# Altium PCB DM1092.PcbDoc (part 1 of 5) (continued)
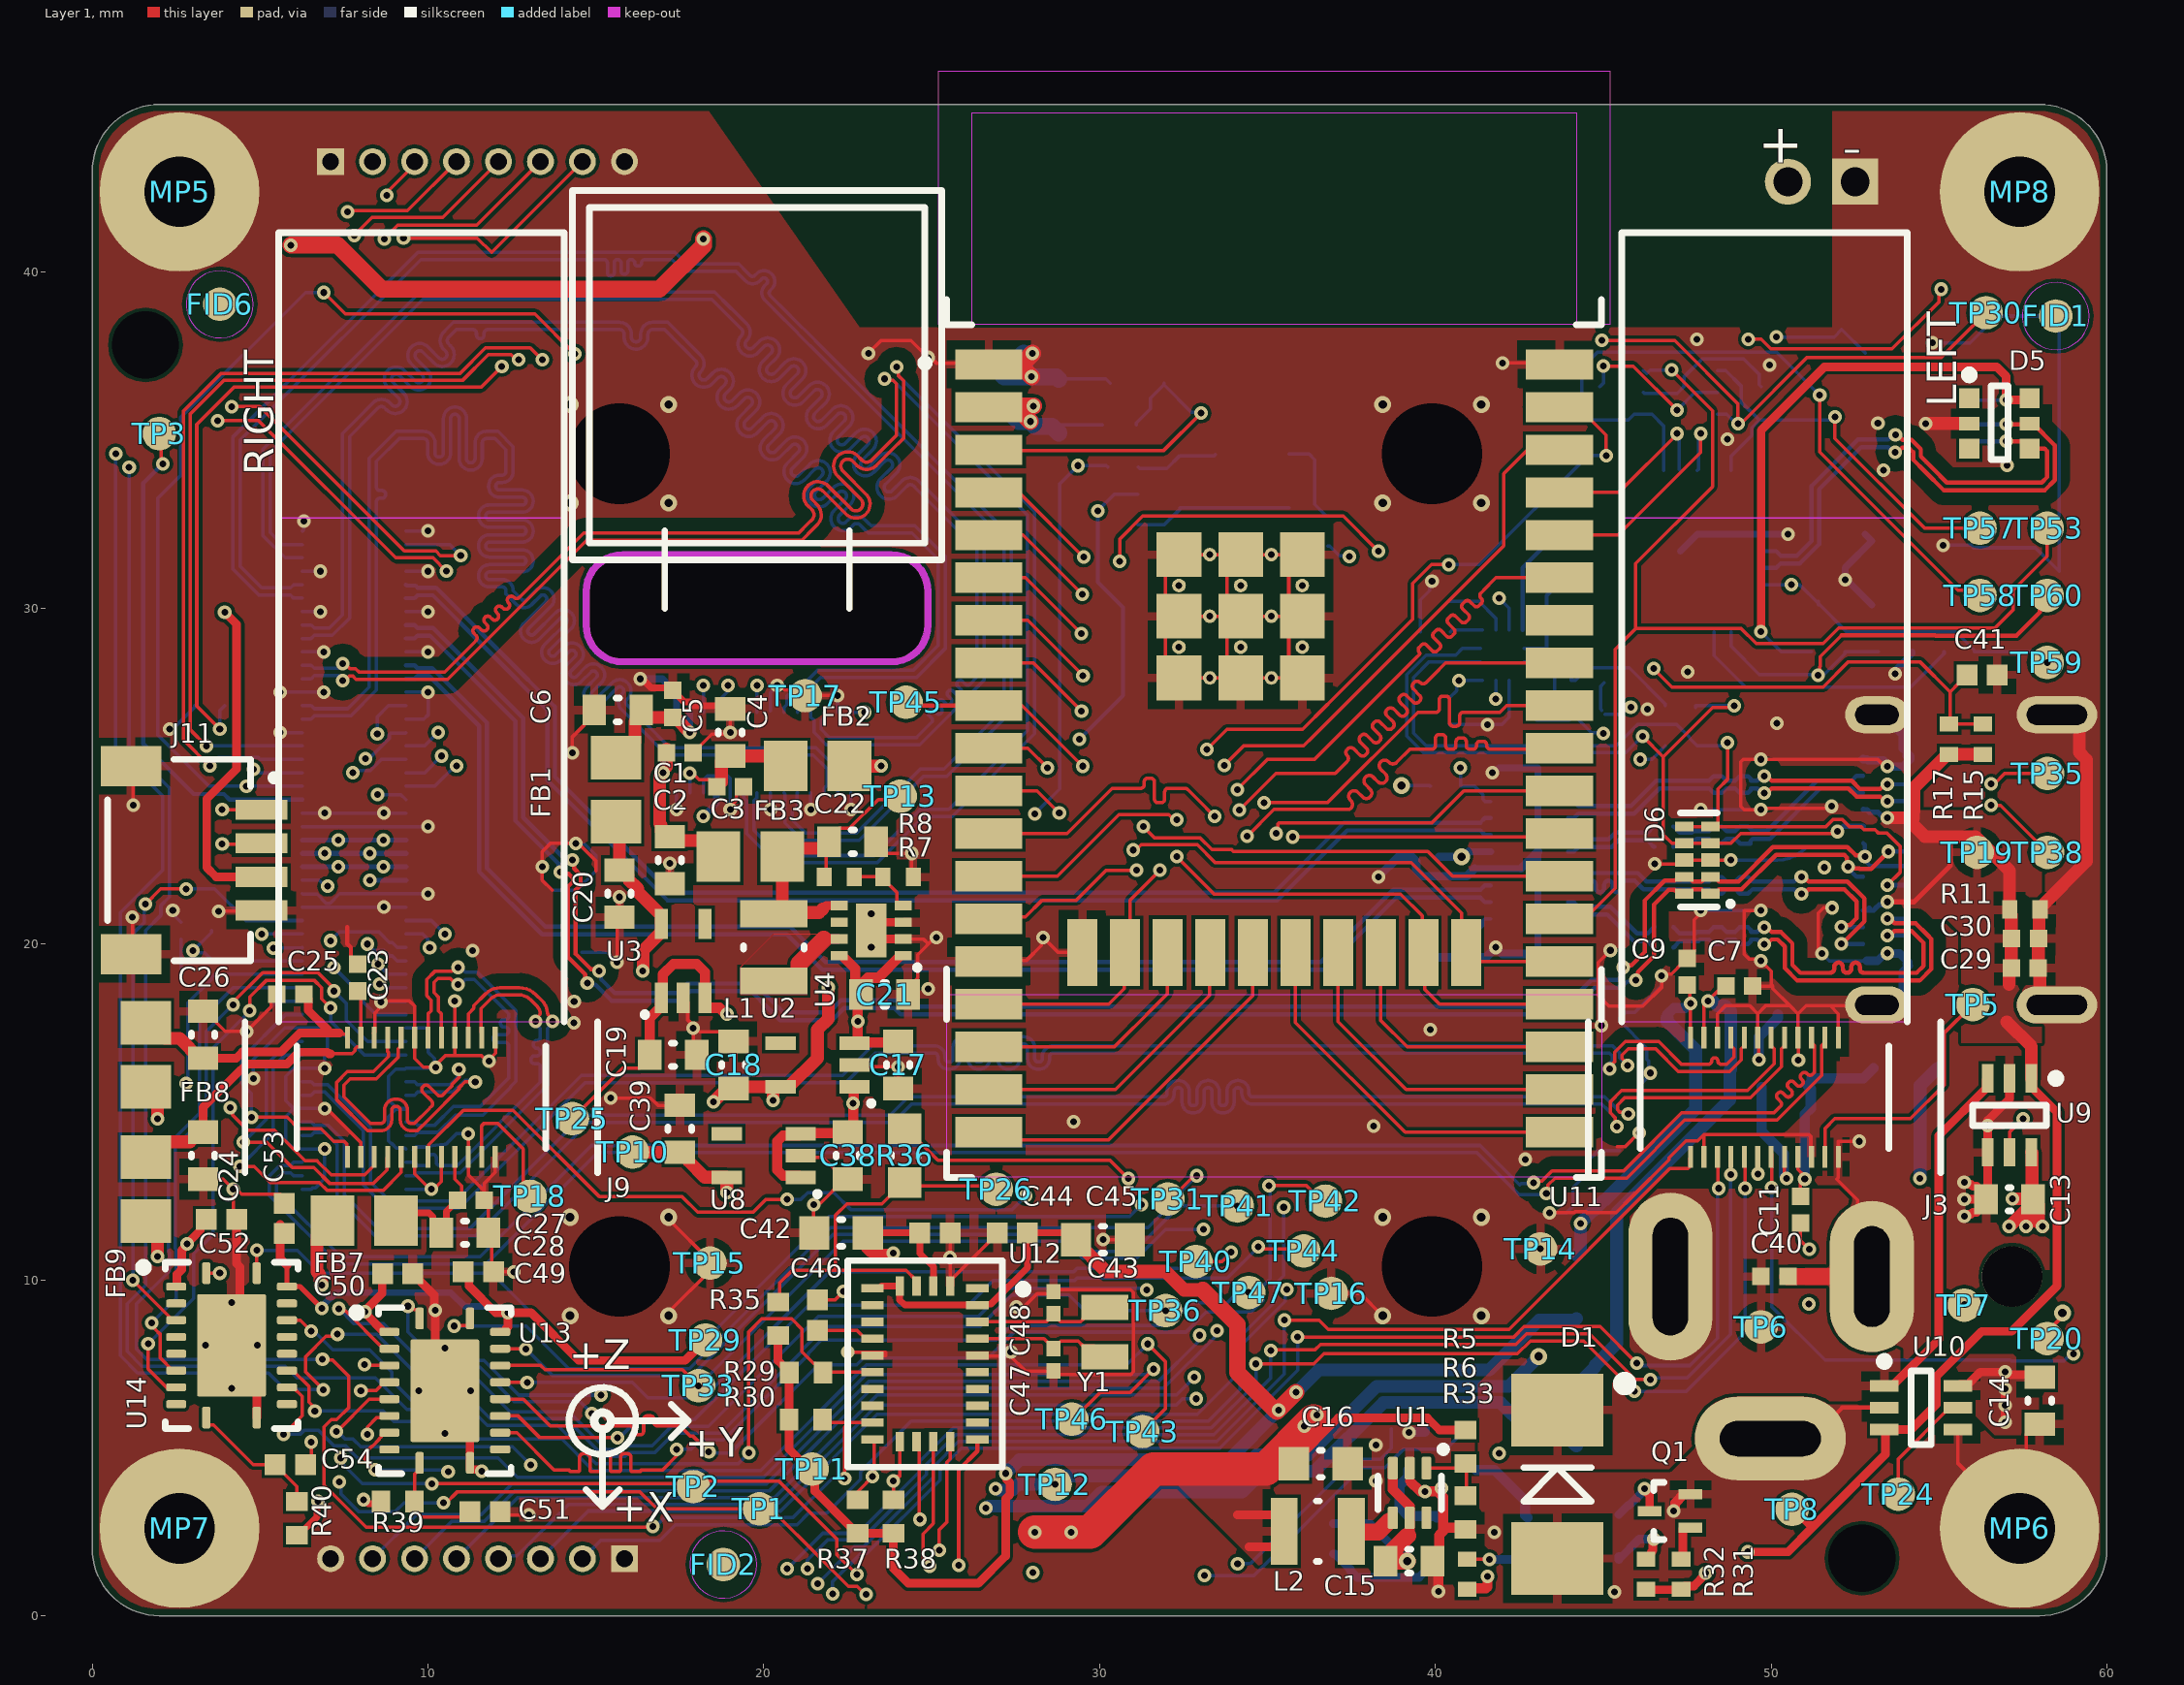
[diagram p0: Layer 1 view]
## Components (designator, comment, footprint, x,y, rotation, side; value= is the part's Value field where it differs from the comment) (continued)
R3 "0R 0402" RESC0402(1005)_L 36.8,32.3 r90 bottom
R4 "10K 0402" RESC0402(1005)_L 31.138,32.942 r270 bottom locked
R5 "442K 0402" RESC0402(1005)_N 40.894,5.029 r90 top
R6 "97.6K 0402" RESC0402(1005)_N 40.894,3.073 r90 top
R7 "53.6k 0402" RESC0402(1005)_L 22.25,22 r180 top
R8 "39.2k 0402" RESC0402(1005)_L 24,22 r180 top
R9 "10K 0402" RESC0402(1005)_L 3.1,20.4 r180 bottom
R10 "0R 0402" RESC0402(1005)_L 30.7,34.2 r0 bottom
R11 "10K 0402" RESC0402(1005)_L 57.559,21.027 r180 top
R12 "10K 0402" RESC0402(1005)_L 40.3,20.3 r180 bottom locked
R13 "10K 0402" RESC0402(1005)_L 40.3,24.7 r180 bottom locked
R14 "10K 0402" RESC0402(1005)_L 40,29.3 r180 bottom
R15 "1.8MR 0402" RESC0402(1005)_L 56.299,26.099 r90 top
R16 "10K 0402" RESC0402(1005)_L 40,30.2 r180 bottom
R17 "1.8MR 0402" RESC0402(1005)_L 55.299,26.099 r90 top
R18 "10K 0402" RESC0402(1005)_L 47.3,27.1 r0 bottom
R19 "10K 0402" RESC0402(1005)_L 47.3,25.9 r0 bottom
R20 "10K 0402" RESC0402(1005)_L 44.627,27.8 r0 bottom
R21 "10K 0402" RESC0402(1005)_L 44.597,26.848 r0 bottom
R24 "0R 0603" RESC0603(1608)_N 35.638,33.792 r90 bottom
R26 "0R 0603" RESC0603(1608)_N 33.452,33.782 r90 bottom
R29 "10K 0402" RESC0402(1005)_N 21.26,7.239 r180 top
R30 "10K 0402" RESC0402(1005)_N 21.25,5.842 r180 top
R31 "1K 0402" RESC0402(1005)_L 47.32,1.237 r270 top
R32 "1K 0402" RESC0402(1005)_L 46.279,1.237 r270 top
R33 "1K 0402" RESC0402(1005)_L 40.945,1.237 r270 top
R34 "1K 0402" RESC0402(1005)_L 36.957,2.293 r90 bottom
R35 "10K 0402" RESC0402(1005)_N 20.422,8.839 r270 top
R36 "0R 0603" RESC0603(1608)_N 24.2,13.7 r90 top
R37 "2.2K 0402" RESC0402(1005)_N 22.793,2.957 r90 top
R38 "2.2K 0402" RESC0402(1005)_N 23.859,2.957 r90 top
R39 "1K 0402" RESC0402(1005)_N 9.1,3.4 r180 top
R40 "10K 0402" RESC0402(1005)_N 6.1,2.9 r90 top
R41 "10K 0402" RESC0402(1005)_N 30.591,35.464 r180 bottom
R42 "22.1K 0402" RESC0402(1005)_N 51.7,28.7 r0 bottom
R43 "10K 0402" RESC0402(1005)_N 49.7,36.1 r90 bottom locked
R44 "47.5K 0402" RESC0402(1005)_N 53.7,28.7 r180 bottom
R45 "1K 0402" RESC0402(1005)_L 55.6,28.7 r180 bottom
R46 "10K 0402" RESC0402(1005)_N 44.9,36.1 r270 bottom locked
TP1 "TP100_200_NS" TP100_200_NS 19.871,3.183 r180 top
TP2 "TP100_200_NS" TP100_200_NS 17.901,3.841 r180 top
TP3 "TP100_200_NS" TP100_200_NS 2,35.2 r180 top
TP4 "TP100_200_NS" TP100_200_NS 30.698,30.026 r0 bottom
TP5 "TP100_200_NS" TP100_200_NS 56.007,18.2 r0 top
TP6 "TP100_200_NS" TP100_200_NS 49.7,8.6 r180 top
TP7 "TP100_200_NS" TP100_200_NS 55.749,9.249 r180 top
TP8 "TP100_200_NS" TP100_200_NS 50.625,3.166 r180 top
TP10 "TP100_200_NS" TP100_200_NS 16.092,13.804 r180 top
TP11 "TP100_200_NS" TP100_200_NS 21.439,4.364 r180 top
TP12 "TP100_200_NS" TP100_200_NS 28.677,3.912 r180 top
TP13 "TP100_200_NS" TP100_200_NS 24.063,24.402 r180 top
TP14 "TP100_200_NS" TP100_200_NS 43.132,10.923 r180 top
TP15 "TP100_200_NS" TP100_200_NS 18.4,10.5 r180 top
TP16 "TP100_200_NS" TP100_200_NS 36.9,9.6 r180 top
TP17 "TP100_200_NS" TP100_200_NS 21.232,27.396 r180 top
TP18 "TP100_200_NS" TP100_200_NS 13.041,12.488 r180 top
TP19 "TP100_200_NS" TP100_200_NS 56.134,22.733 r180 top
TP20 "TP100_200_NS" TP100_200_NS 58.219,8.255 r270 top
TP21 "TP075_150_NS" TP075_150_NS 43.403,32.008 r0 bottom
TP22 "TP075_150_NS" TP075_150_NS 43.018,26.684 r0 bottom
TP23 "TP075_150_NS" TP075_150_NS 43.411,30.476 r0 bottom
TP24 "TP100_200_NS" TP100_200_NS 53.786,3.619 r180 top
TP25 "TP100_200_NS" TP100_200_NS 14.3,14.8 r180 top
TP26 "TP100_200_NS" TP100_200_NS 26.924,12.7 r180 top
TP29 "TP100_200_NS" TP100_200_NS 18.264,8.21 r180 top
TP30 "TP100_200_NS" TP100_200_NS 56.4,38.8 r180 top
TP31 "TP100_200_NS" TP100_200_NS 32.033,12.407 r180 top
TP33 "TP100_200_NS" TP100_200_NS 18.06,6.845 r180 top
TP35 "TP100_200_NS" TP100_200_NS 58.229,25.078 r90 top
TP36 "TP100_200_NS" TP100_200_NS 31.969,9.086 r180 top
TP38 "TP100_200_NS" TP100_200_NS 58.229,22.733 r90 top
TP40 "TP100_200_NS" TP100_200_NS 32.87,10.55 r180 top
TP41 "TP100_200_NS" TP100_200_NS 34.1,12.2 r180 top
TP42 "TP100_200_NS" TP100_200_NS 36.728,12.344 r180 top
TP43 "TP100_200_NS" TP100_200_NS 31.279,5.486 r180 top
TP44 "TP100_200_NS" TP100_200_NS 36.08,10.858 r180 top
TP45 "TP100_200_NS" TP100_200_NS 24.238,27.198 r270 top
TP46 "TP100_200_NS" TP100_200_NS 29.172,5.851 r270 top
TP47 "TP100_200_NS" TP100_200_NS 34.442,9.627 r180 top
TP53 "TP100_200_NS" TP100_200_NS 58.219,32.383 r180 top
TP57 "TP100_200_NS" TP100_200_NS 56.219,32.383 r180 top
TP58 "TP100_200_NS" TP100_200_NS 56.219,30.383 r180 top
TP59 "TP100_200_NS" TP100_200_NS 58.219,28.383 r180 top
TP60 "TP100_200_NS" TP100_200_NS 58.219,30.383 r180 top
U1 "TLV62568DRLR" TLV62568DRLR 39.235,3.654 r270 top
U2 "TLV70018DCK" TLV70018DCK 21.6,16.4 r90 top
U3 "TLV70028DCK" TLV70028DCK 17.6,19.5 r0 top
U4 "TLV62080DSG" TLV62080DSG 23.2,20.4 r180 top
U5 "USB Type-C Switch" HD3SS3212RKSR 42.8,22.5 r0 bottom locked
U6 "USB Type-C Port Control" TUSB321RWBR 42,28.6 r270 bottom
U8 "TLV70012DCK" TLV70012DCK 20,13.7 r90 top
U9 "1.5A ideal diode" LM66100DCKR 57.1,14.9 r270 top
U10 "1.5A ideal diode" LM66100DCKR 54.468,6.197 r0 top
U11 "ESP32-WROOM-32D MODULE" "ESP32-WROOM/WROVER COMBO" 35.2,32 r0 top
U12 "BNO085" BNO085 24.8,7.5 r0 top
U13 "TXS0108ERGYR" TXS0108ERGYR 10.5,6.7 r0 top
U14 "TXS0108ERGYR" TXS0108ERGYR 4.15,8.05 r0 top
U15 "CP2102N-A02-GQFN28R" CP2102N-A02-GQFN28R 47.3,31.7 r180 bottom locked
Y1 "ABS06-127-32.768KHZ-T" ABS06-127-32.768KHZ-T 30.15,8.445 r270 top

## Footprints (in the part's own frame and the unit in brackets; to place one, negate y for a bottom-side part, rotate by r counter-clockwise, add the part's x,y. Pads: shape width x height; smd on the part's side, far side on the other; paste and mask are expansions set on the pad)
1SMB5919BT3G [mm] "Molded, 2-Leads, Body 4.6x3.95mm"
  rect 2.159x2.743 smd: 1(-2.21,0) 2(2.21,0)
  silkscreen extent -3.1,-1 0.5,2.1, body extent -2.3,-1.97 2.3,1.97, height 2.42
53047-0810 [mm] "1.25mm Pitch, PicoBlade PCB Header, Single Row, Vertical, Through Hole, Tin Plating, Friction Lock, 8 Circuits"
  rect 0.8x0.8 hole 0.5: 1(4.375,0)
  round 0.8 hole 0.5: 2(3.125,0) 3(1.875,0) 4(0.625,0) 5(-0.625,0) 6(-1.875,0) 7(-3.125,0) 8(-4.375,0)
  silkscreen extent -5.88,-2.05 5.87,1.15, body extent -5.88,-2.05 5.87,1.15, height 4.18
105450-0101 [mm] "USB3.1 Type-C Molex SMT, RA, TH"
  rect 0.3x0.7 smd mask+0.05: A1(-3,0.65) A2(-2.5,0.65) A3(-2,0.65) A4(-1.5,0.65) A5(-1,0.65) A6(-0.5,0.65) A7(0.5,0.65) A8(1,0.65) A9(1.5,0.65) A10(2,0.65) A11(2.5,0.65) A12(3,0.65) B2(2.25,-0.65) B3(1.75,-0.65) B4(1.25,-0.65) B5(0.75,-0.65) B6(0.25,-0.65) B7(-0.25,-0.65) B8(-0.75,-0.65) B9(-1.25,-0.65) B10(-1.75,-0.65) B11(-2.25,-0.65)
  rect 1x0.7 smd mask+0.05: B1(3.1,-0.65) B12(-3.1,-0.65)
  oval 1.1x1.9 hole 0.6 slot 1.3 at 90 deg mask+0.05: SH1(-4.32,0.24) SH4(4.32,0.24)
  oval 1.1x2.4 hole 0.6 slot 1.8 at 90 deg mask+0.05: SH2(-4.32,-5.12) SH3(4.32,-5.12)
  Layer 1 keep-out region: -3.6,-1.299 3.6,-1.299 3.6,-5.95 -3.6,-5.95
  silkscreen extent -4.5,-3.6 4.5,-1, body extent -4.47,-7.02 4.47,0.88, height 3.2
10118192-0001LF [mm] "USB - micro B"
  rect 0.4x1.35 smd: 1(-1.3,2.675) 2(-0.65,2.675) 3(0,2.675) 4(0.65,2.675) 5(1.3,2.675)
  rect 2.1x1.6 smd: 6(-3.1,2.55) 7(3.1,2.55)
  rect 1.8x1.9 smd: 8(-3.8,0) 9(3.8,0)
  rect 1.9x1.9 smd: 10(-1.2,0) 11(1.2,0)
  silkscreen extent -1.5,3.7 -1.1,3.7, body extent -3.95,-2.67 3.95,2.95, height 2.7
2508056017Y2 [mm] "2508056017Y2 Chip Inductor, 2-Leads, Body 2.00x1.25mm"
  rect 1.3x1.5 smd: 1(-0.95,0) 2(0.95,0)
  body extent -1.1,-0.72 1.1,0.73, height 1.45
9774030243R [mm] "STANDOFF_M2X0.4_3MM with no pad on bottom of PCB"
  round 5.3 / inner round 2.7 / far side round 2.7 hole 3 mask+0.05: 1(0,0)
  body extent -2.17,-2.17 2.18,2.17, height 3.05
A12N02A-201_1.6mmbrd_MatedModule [mm] "connector: 24-5804-030-000-829+ (1.4mm height w/ module mated)"
  rect 0.22x0.5 smd mask+0.05: 1(-2.8,-1.2) 2(-2.4,-1.2) 3(-2,-1.2) 4(-1.6,-1.2) 5(-1.2,-1.2) 6(-0.8,-1.2) 7(-0.4,-1.2) 8(0,-1.2) 9(0.4,-1.2) 10(0.8,-1.2) 11(1.2,-1.2) 12(1.6,-1.2) 13(2,-1.2) 14(2.4,-1.2) 15(2.8,-1.2) 16(2.8,1.2) 17(2.4,1.2) 18(2,1.2) 19(1.6,1.2) 20(1.2,1.2) 21(0.8,1.2) 22(0.4,1.2) 23(0,1.2) 24(-0.4,1.2) 25(-0.8,1.2) 26(-1.2,1.2) 27(-1.6,1.2) 28(-2,1.2) 29(-2.4,1.2) 30(-2.8,1.2)
  Layer 6 keep-out region: -4.999,16.237 4.999,16.237 4.999,6.239 -4.999,6.239
  Keep-Out Layer board cut-out: -5,4.8 -4.924,5.183 -4.707,5.507 -4.383,5.724 -4,5.8 -4,5.8 4,5.8 4.383,5.724 4.707,5.507 4.924,5.183 5,4.8 5,4.8 5,3.8 4.924,3.417 4.707,3.093 4.383,2.876 4,2.8 4,2.8 -4,2.8 -4.383,2.876 -4.707,3.093 -4.924,3.417 -5,3.8 -5,3.8
  Keep-Out Layer lines w0.2: 5.1,3.8 cw(c4,3.8) 4,2.7 0,2.7 -4,2.7 cw(c-4,3.8) -5.1,3.8 -5.1,4.8 cw(c-4,4.8) -4,5.9 4,5.9 cw(c4,4.8) 5.1,4.8 5.1,3.8
  silkscreen extent -4.5,-2 4.5,4.3, body extent -5,-2 5,16.24, height 6.18
ABS06-127-32.768KHZ-T [mm] "2-SMD 0.079\" L x 0.047\" W (2.00mm x 1.20mm)"
  rect 0.75x1.4 smd: 1(-0.73,0) 2(0.73,0)
  body extent -1,-0.6 1,0.6, height 0.65
B2B-PH-K-S(LF)(SN) [mm] "3.4mm pins, 6mm housing"
  rect 1.368x1.368 hole 0.86: P1(1,-0.55)
  round 1.368 hole 0.86: P2(-1,-0.55)
  silkscreen extent -3.2,-2.5 3.2,2.5, body extent -2.95,-2.25 2.95,2.25, height 6
BC847S [mm] "SOT363, 6-Leads, Body 2.4x2.2mm (max), Pitch 0.65mm, IPC Medium Density"
  rrect50% 0.9x0.4 smd mask+0.076: 1(-1.1,0.675) 2(-1.1,0.025) 3(-1.1,-0.625) 4(1.1,-0.625) 5(1.1,0.025) 6(1.1,0.675)
  silkscreen extent -1.23,-1.08 0.25,1.42, body extent -1.1,-0.97 1.1,1.01, height 0.99
BNO085 [mm] "28-TFLGA Module (5.2x3.8)"
  rect 0.675x0.25 smd paste+0 mask+0: 1(1.563,2.25) 6(-1.562,2.25) 7(-1.562,1.75) 8(-1.562,1.25) 9(-1.562,0.75) 10(-1.562,0.25) 11(-1.562,-0.25) 12(-1.562,-0.75) 13(-1.562,-1.25) 14(-1.562,-1.75) 15(-1.562,-2.25) 20(1.563,-2.25) 21(1.563,-1.75) 22(1.563,-1.25) 23(1.563,-0.75) 24(1.563,-0.25) 25(1.563,0.25) 26(1.563,0.75) 27(1.563,1.25) 28(1.563,1.75)
  rect 0.25x0.575 smd paste+0 mask+0: 2(0.75,2.313) 3(0.25,2.313) 4(-0.25,2.313) 5(-0.75,2.313) 16(-0.75,-2.313) 17(-0.25,-2.313) 18(0.25,-2.313) 19(0.75,-2.313)
  silkscreen extent -2.3,-3.08 3.05,3.07, body extent -2.45,-3.15 2.45,3.15, height 0.25
BW1099_R3_KTHSNF_Footprint [mm] "Graphical/Mechanical footprint for BW1099"
  body extent -35,-15 5,15, height 19
CAPC0201(0603)33_L [mm] "Chip Capacitor, Body 0.6x0.3mm, Height 0.33mm, IPC High Density"
  rect 0.36x0.32 smd: 1(-0.28,0) 2(0.28,0)
  body extent -0.32,-0.17 0.32,0.17, height 0.33
CAPC0201(0603)33_N [mm] "Chip Capacitor, Body 0.6x0.3mm, Height 0.33mm, IPC Medium Density"
  rect 0.46x0.42 smd: 1(-0.33,0) 2(0.33,0)
  body extent -0.31,-0.16 0.32,0.17, height 0.33
CAPC0402(1005)70_L [mm] "Chip Capacitor, Body 1.0x0.5mm, Height 0.7mm, IPC High Density"
  rect 0.52x0.52 smd: 1(-0.4,0) 2(0.4,0)
  body extent -0.55,-0.3 0.55,0.3, height 0.7
CAPC0402(1005)70_N [mm] "Chip Capacitor, Body 1.0x0.5mm, Height 0.7mm, IPC Medium Density"
  rect 0.62x0.62 smd: 1(-0.45,0) 2(0.45,0)
  body extent -0.55,-0.3 0.55,0.3, height 0.7
CAPC0603(1608)100_L [mm] "Chip Capacitor, Body 1.6x0.8mm, Height 1.0mm, IPC High Density"
  rect 0.7x0.9 smd: 1(-0.7,0) 2(0.7,0)
  silkscreen extent -0.05,-0.35 0.05,0.35, body extent -0.87,-0.47 0.88,0.48, height 1
CAPC0603(1608)100_N [mm] "Chip Capacitor, Body 1.6x0.8mm, Height 1.0mm, IPC Medium Density"
  rect 0.9x1 smd: 1(-0.8,0) 2(0.8,0)
  silkscreen extent -0.05,-0.4 0.05,0.4, body extent -0.87,-0.48 0.88,0.47, height 1
CP2102N-A02-GQFN28R [mm] "QFN, 28-Leads, Body 5.00x5.00mm, Pitch 0.50mm, Thermal Pad 3.15x3.15mm, IPC Medium Density"
  oval 1.15x0.3 smd: 1(-2.4,1.5) 2(-2.4,1) 3(-2.4,0.5) 4(-2.4,0) 5(-2.4,-0.5) 6(-2.4,-1) 7(-2.4,-1.5) 15(2.4,-1.5) 16(2.4,-1) 17(2.4,-0.5) 18(2.4,0) 19(2.4,0.5) 20(2.4,1) 21(2.4,1.5)
  oval 0.3x1.15 smd: 8(-1.5,-2.4) 9(-1,-2.4) 10(-0.5,-2.4) 11(0,-2.4) 12(0.5,-2.4) 13(1,-2.4) 14(1.5,-2.4) 22(1.5,2.4) 23(1,2.4) 24(0.5,2.4) 25(0,2.4) 26(-0.5,2.4) 27(-1,2.4) 28(-1.5,2.4)
  rect 3.15x3.15 smd paste-0.635: 29(0,0)
  silkscreen extent -2.83,-2.73 2.73,2.82, body extent -2.58,-2.57 2.57,2.58, height 1
DF40HC-3.0-100DS-0.4V_minpad [mm] "3.0MM MATED HEIGHT CONN HDR 100POS 0.4MM SMD GOLD"
  rect 0.7x0.18 smd: 1(1.54,9.8) 2(-1.54,9.8) 3(1.54,9.4) 4(-1.54,9.4) 5(1.54,9) 6(-1.54,9) 7(1.54,8.6) 8(-1.54,8.6) 9(1.54,8.2) 10(-1.54,8.2) 11(1.54,7.8) 12(-1.54,7.8) 13(1.54,7.4) 14(-1.54,7.4) 15(1.54,7) 16(-1.54,7) 17(1.54,6.6) 18(-1.54,6.6) 19(1.54,6.2) 20(-1.54,6.2) 21(1.54,5.8) 22(-1.54,5.8) 23(1.54,5.4) 24(-1.54,5.4) 25(1.54,5) 26(-1.54,5) 27(1.54,4.6) 28(-1.54,4.6) 29(1.54,4.2) 30(-1.54,4.2) 31(1.54,3.8) 32(-1.54,3.8) 33(1.54,3.4) 34(-1.54,3.4) 35(1.54,3) 36(-1.54,3) 37(1.54,2.6) 38(-1.54,2.6) 39(1.54,2.2) 40(-1.54,2.2) 41(1.54,1.8) 42(-1.54,1.8) 43(1.54,1.4) 44(-1.54,1.4) 45(1.54,1) 46(-1.54,1) 47(1.54,0.6) 48(-1.54,0.6) 49(1.54,0.2) 50(-1.54,0.2) 51(1.54,-0.2) 52(-1.54,-0.2) 53(1.54,-0.6) 54(-1.54,-0.6) 55(1.54,-1) 56(-1.54,-1) 57(1.54,-1.4) 58(-1.54,-1.4) 59(1.54,-1.8) 60(-1.54,-1.8) 61(1.54,-2.2) 62(-1.54,-2.2) 63(1.54,-2.6) 64(-1.54,-2.6) 65(1.54,-3) 66(-1.54,-3) 67(1.54,-3.4) 68(-1.54,-3.4) 69(1.54,-3.8) 70(-1.54,-3.8) 71(1.54,-4.2) 72(-1.54,-4.2) 73(1.54,-4.6) 74(-1.54,-4.6) 75(1.54,-5) 76(-1.54,-5) 77(1.54,-5.4) 78(-1.54,-5.4) 79(1.54,-5.8) 80(-1.54,-5.8) 81(1.54,-6.2) 82(-1.54,-6.2) 83(1.54,-6.6) 84(-1.54,-6.6) 85(1.54,-7) 86(-1.54,-7) 87(1.54,-7.4) 88(-1.54,-7.4) 89(1.54,-7.8) 90(-1.54,-7.8) 91(1.54,-8.2) 92(-1.54,-8.2) 93(1.54,-8.6) 94(-1.54,-8.6) 95(1.54,-9) 96(-1.54,-9) 97(1.54,-9.4) 98(-1.54,-9.4) 99(1.54,-9.8) 100(-1.54,-9.8)
  silkscreen extent -0.65,-10.85 2.75,10.88, body extent -1.69,-11.3 1.69,11.3, height 2.85
DFE252012P-1R0M=P2 [mm] "Chip Inductor, 2-Leads, Body 2.40x2.00mm, IPC High Density"
  rect 0.8x2 smd: 1(-1,0) 2(1,0)
  silkscreen extent -0.05,-0.9 0.05,0.9, body extent -1.25,-1.1 1.25,1.1, height 1.2
DTSM-32N-V [mm] "tactile button 160gf"
  rect 2x1.5 smd: 1(-2.7,0) 2(2.7,0)
  silkscreen extent -3.01,-1.76 3,1.75, body extent -3.65,-1.75 3.65,1.75, height 5
"ESP32-WROOM/WROVER COMBO" [mm] "ESP32-WROOM combo module"
  rect 2x0.9 smd: 1(-8.5,5.26) 2(-8.5,3.99) 3(-8.5,2.72) 4(-8.5,1.45) 5(-8.5,0.18) 6(-8.5,-1.09) 7(-8.5,-2.36) 8(-8.5,-3.63) 9(-8.5,-4.9) 10(-8.5,-6.17) 11(-8.5,-7.44) 12(-8.5,-8.71) 13(-8.5,-9.98) 14(-8.5,-11.25) 15(-8.5,-12.52) 16(-8.5,-13.79) 17(-8.5,-15.06) 18(-8.5,-16.33) 19(-8.5,-17.6) 20(8.5,-17.6) 21(8.5,-16.33) 22(8.5,-15.06) 23(8.5,-13.79) 24(8.5,-12.52) 25(8.5,-11.25) 26(8.5,-9.98) 27(8.5,-8.71) 28(8.5,-7.44) 29(8.5,-6.17) 30(8.5,-4.9) 31(8.5,-3.63) 32(8.5,-2.36) 33(8.5,-1.09) 34(8.5,0.18) 35(8.5,1.45) 36(8.5,2.72) 37(8.5,3.99) 38(8.5,5.26)
  rect 0.9x2 smd: 15(-5.715,-12.25) 16(-4.445,-12.25) 17(-3.175,-12.25) 18(-1.905,-12.25) 19(-0.635,-12.25) 20(0.635,-12.25) 21(1.905,-12.25) 22(3.175,-12.25) 23(4.445,-12.25) 24(5.715,-12.25)
  rect 1.33x1.33 smd: 39(-2.835,-4.075) 39(-2.835,-2.24) 39(-2.835,-0.405) 39(-1,-4.075) 39(-1,-2.24) 39(-1,-0.405) 39(0.835,-4.075) 39(0.835,-2.24) 39(0.835,-0.405)
  oval 0.406x0.406 hole 0.203 mask+0.102: 39(-2.835,-3.157) 39(-2.835,-1.322) 39(-1.917,-4.075) 39(-1.917,-2.24) 39(-1.917,-0.405) 39(-1,-3.157) 39(-1,-1.322) 39(-0.082,-4.075) 39(-0.082,-2.24) 39(-0.082,-0.405) 39(0.835,-3.157) 39(0.835,-1.322)
  Keep-Out Layer region: 10,6.45 -10,6.45 -10,14 10,14
  Keep-Out Layer region: 9,6.45 -9,6.45 -9,12.75 9,12.75
  Keep-Out Layer region: 9.75,-18.95 -9.75,-18.95 -9.75,-13.494 9.75,-13.494
  silkscreen extent -10.5,-18.95 9.75,7.19, body extent -9,-12.74 9,12.76, height 3.3
FIDUCIAL_ROUND_1MM [mm] "Round, 1mm dia"
  round 1 smd paste-1 mask+0.5: 1(0,0)
  Layer 1 keep-out circle w0.025: c0,0 r1
HD3SS3212RKSR [mm] "VQFN-20"
  rrect20% 0.25x0.6 smd mask+0.07: 1(-0.25,2.15) 10(-0.25,-2.15) 11(0.25,-2.15) 20(0.25,2.15)
  rrect20% 0.6x0.25 smd mask+0.07: 2(-1.15,1.75) 3(-1.15,1.25) 4(-1.15,0.75) 5(-1.15,0.25) 6(-1.15,-0.25) 7(-1.15,-0.75) 8(-1.15,-1.25) 9(-1.15,-1.75) 12(1.15,-1.75) 13(1.15,-1.25) 14(1.15,-0.75) 15(1.15,-0.25) 16(1.15,0.25) 17(1.15,0.75) 18(1.15,1.25) 19(1.15,1.75)
  rrect10% 1x3 smd paste-3 mask+0.07: 21(0,0)
  silkscreen extent -1.25,-2.25 1.25,2.53, body extent -1.25,-2.25 1.25,2.25, height 1
LM66100DCKR [mm] "SOT23, 6-Leads, Body 2.00x2.10mm, Pitch 0.65mm, IPC Medium Density"
  rect 0.85x0.35 smd: 1(-1.1,0.65) 2(-1.1,0) 3(-1.1,-0.65) 4(1.1,-0.65) 5(1.1,0) 6(1.1,0.65)
  silkscreen extent -1.22,-1.1 0.3,1.5, body extent -1.2,-1.07 1.2,1.07, height 1.1
MOUNTING_HOLE_M2 [mm] "M1.4 screw footprint. 2.1 mm dia hole, 4.75mm dia ring,"
  round 4.75 / inner round 2.2 / far side round 4.75 hole 2.1 mask+0.05: 1(0,0)
PESD5V0L5UY,125 [mm] "6-TSSOP, SC-88, SOT-363"
  rect 0.6x0.6 smd mask+0.076: 1(-0.9,0.75) 3(-0.9,-0.75) 4(0.9,-0.75) 6(0.9,0.75)
  rect 0.6x0.4 smd mask+0.076: 2(-0.9,0) 5(0.9,0)
  silkscreen extent -1.02,-1.07 0.25,1.57, body extent -1.1,-0.99 1.1,0.99, height 0.99
PJ-050AH/NEB21R_COMBO [mm] "PJ-050AH or NEB21R 2.1mm ID, 5.5mm OD, 3pin, 2contact"
  oval 5x2.5 hole 1.05 slot 3.5 at 0 deg mask+0.05: 1(0,6.025)
  oval 2.5x4.5 hole 1.05 slot 3 at 90 deg mask+0.05: 2(4.825,3.05)
  oval 4.5x2.5 hole 1.05 slot 3 at 0 deg mask+0.05: 3(0,0.025)
  round 1.8 hole 1.8 unplated: ""(0,-4.15)
  silkscreen extent -4.5,-7.65 8.97,6.8, body extent -4.5,-7.65 5.2,6.85, height 11.05
RE1C002UNTCL [mm] "ROHM SOT-416FL"
  rect 0.3x0.71 smd: 1(-0.5,-0.61) 2(0.5,-0.61) 3(0,0.61)
  silkscreen extent -0.85,0.18 0.85,0.48, body extent -0.95,-1.06 0.95,1.06, height 0.25
RESC0402(1005)_L [mm] "Chip Resistor, Body 1.0x0.5mm, IPC High Density"
  rect 0.45x0.55 smd: 1(-0.45,0) 2(0.45,0)
  body extent -0.52,-0.27 0.53,0.28, height 0.4
RESC0402(1005)_N [mm] "Chip Resistor, Body 1.0x0.5mm, IPC Medium Density"
  rect 0.55x0.65 smd: 1(-0.5,0) 2(0.5,0)
  body extent -0.52,-0.27 0.53,0.28, height 0.4
RESC0603(1608)_N [mm] "Chip Resistor, Body 1.6x0.8mm, IPC Medium Density"
  rect 0.9x1 smd: 1(-0.8,0) 2(0.8,0)
  silkscreen extent -0.05,-0.4 0.05,0.4, body extent -0.85,-0.47 0.85,0.47, height 0.6
SM04B-SRSS-TB(LF)(SN) [mm] "Connector Header Surface Mount, Right Angle 4 position 0.039\" (1.00mm)"
  rect 0.6x1.55 smd: 1(-1.5,1.937) 2(-0.5,1.937) 3(0.5,1.937) 4(1.5,1.937)
  rect 1.2x1.8 smd: S1(-2.8,-1.937) S2(2.8,-1.937)
  silkscreen extent -3,-2.64 3,2.42, body extent -3,-2.64 3,2.31, height 2.96
SML_D1xx8W [mm] "Rohm LED SML_D1 series - Chip Diode, 2-Leads, Body 1.60x0.80mm, IPC High Density"
  rect 0.8x0.8 smd: 1(-0.625,0) 2(0.625,0)
  silkscreen extent -1.3,-0.5 -1.3,0.5, body extent -0.8,-0.4 0.8,0.4, height 0.6
TG161B-201_HD [mm] "IPC High density version"
  rect 0.15x0.65 smd mask+0.05: 1(-2.2,1.775) 2(-1.8,1.775) 3(-1.4,1.775) 4(-1,1.775) 5(-0.6,1.775) 6(-0.2,1.775) 7(0.2,1.775) 8(0.6,1.775) 9(1,1.775) 10(1.4,1.775) 11(1.8,1.775) 12(2.2,1.775) 13(2.2,-1.775) 14(1.8,-1.775) 15(1.4,-1.775) 16(1,-1.775) 17(0.6,-1.775) 18(0.2,-1.775) 19(-0.2,-1.775) 20(-0.6,-1.775) 21(-1,-1.775) 22(-1.4,-1.775) 23(-1.8,-1.775) 24(-2.2,-1.775)
  Layer 1 keep-out region: -4.25,17.25 4.25,17.25 4.25,25.75 -4.25,25.75
  Layer 1 keep-out region: -4.25,2.25 4.25,2.25 4.25,17.25 -4.25,17.25
  silkscreen extent -5.25,-2.25 5.25,25.75, body extent -5.35,-2.35 5.35,25.85, height 4.14
TLV62080DSG [mm] "WSON-8, 2.1mm x 2.1mm x 0.8mm"
  rect 0.5x0.28 smd mask+0.07: 1(-0.95,0.75) 2(-0.95,0.25) 3(-0.95,-0.25) 4(-0.95,-0.75) 5(0.95,-0.75) 6(0.95,-0.25) 7(0.95,0.25) 8(0.95,0.75)
  rect 0.9x1.6 smd mask+0.07: 9(0,0)
  silkscreen extent -1.4,1.07 -1.35,1.13, body extent -1.05,-1.05 1.05,1.05, height 0.8
TLV62568DRLR [mm] "SOT-563, SOT-666,  SOT-563-6"
  rrect33% 0.67x0.3 smd paste+0 mask+0.05: 1(-0.74,0.5) 2(-0.74,0) 3(-0.74,-0.5) 4(0.74,-0.5) 5(0.74,0) 6(0.74,0.5)
  silkscreen extent -1.4,-0.95 0.5,1.1, body extent -0.8,-0.8 0.8,0.8, height 0.61
TLV70012DCK [mm] "SC70-5 1.1mm"